# Altium PCB UZ_A_MAX11331_Daughter.PcbDoc (part 4 of 7) (continued)
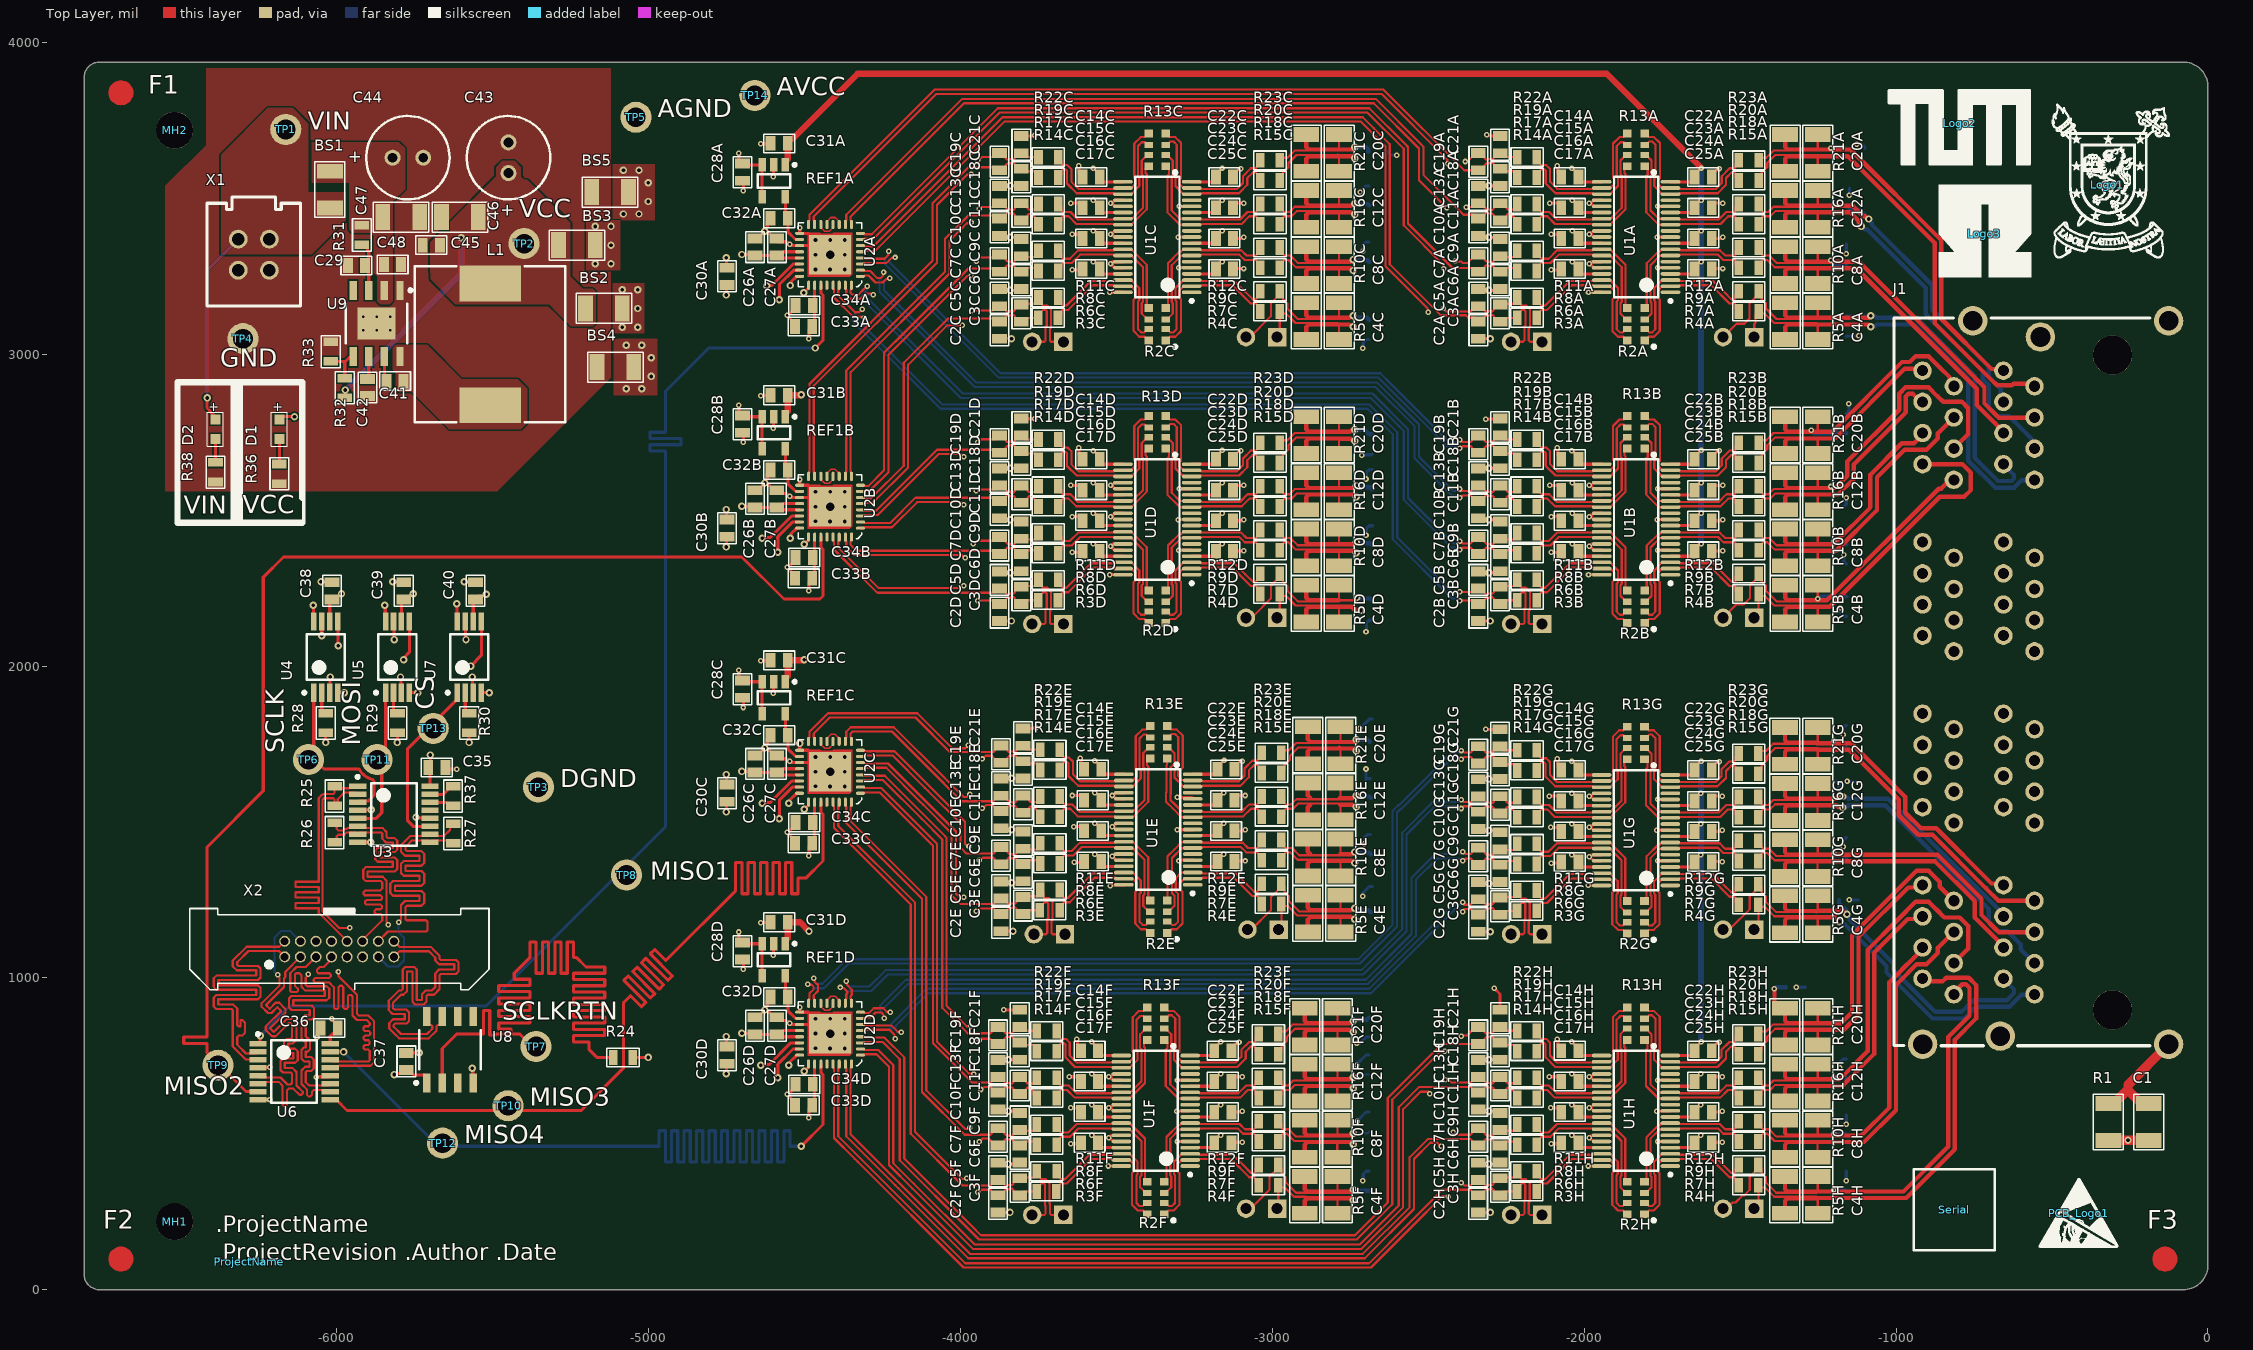
[diagram p0: Top Layer view]
## Nets (pads, with @x,y where several pads share a name; then routed paths per layer and width w, separated by ;. In a path a pad name is that pad's centre, name@x,y a point inside that pad or via, vN(x,y) a via of type N, cw(c..) or ccw(c..) an arc to the next point about the centre after c; other vN are vias at no path point) (continued)
  Top Layer w30: R1.2@-318.99,478.9 v2(-256.42,478.9) C1.2@-223.36,478.9
  Bottom Layer w10: v1(-2730,720) -2728.52,721.48 -2728.52,724.31 -2699.84,752.99 R41F.2@-2690,752.99 ; v1(-2730,790) -2728.52,791.48 -2718.37,791.48 -2699.84,810 R42F.2@-2690,810 ; v1(-2727.28,540) -2725.81,541.48 -2725.81,544.04 -2699.84,570 R40F.2@-2690,570 ; v1(-2720,1800) -2719.84,1800 -2689.84,1830 R42E.2@-2680,1830 ; v1(-2717.78,3520) -2717.78,3522.06 -2699.84,3540 R41C.2@-2690,3540 ; v1(-2713.78,2676.22) -2712.3,2677.7 -2682.3,2677.7 R42D.2@-2680,2680 ; v1(-2710.52,1261.33) -2709.05,1262.81 -2709.05,1273.79 -2689.84,1292.99 R39E.2@-2680,1292.99 ; v1(-2710,350) -2708.62,351.38 -2708.62,371.22 -2699.84,380 R39F.2@-2690,380 ; v1(-2710,3020) -2708.62,3021.38 -2708.62,3038.23 -2699.84,3047.01 R39C.2@-2690,3047.01 ; v1(-2710,3330) -2708.62,3331.38 -2708.62,3351.22 -2699.84,3360 R40C.2@-2690,3360 ; v1(-2704.99,1430) -2703.61,1431.38 -2703.61,1451.22 -2694.83,1460 R40E.2@-2684.99,1460 ; v1(-2700,1670) -2700,1634.83 -2694.83,1640 R41E.2@-2684.99,1640 ; v1(-2700,2110) -2698.62,2111.38 -2698.62,2138.23 -2689.84,2147.01 R39D.2@-2680,2147.01 ; v1(-2700,2420) -2698.62,2421.38 -2698.62,2441.22 -2689.84,2450 R40D.2@-2680,2450 ; v1(-2700,2600) -2698.62,2601.38 -2698.62,2621.22 -2689.84,2630 R41D.2@-2680,2630 ; R42C.2@-2630,3650 -2630,3647.26 -2621.22,3638.48 v1(-2601.52,3638.48) ; v1(-1320,970) R42H.2@-1290,970 ; v1(-1181.27,711.27) -1181.27,713.36 -1178.62,716.01 -1178.62,731.22 -1169.84,740 R41H.2@-1160,740 ; v1(-1177.58,2187.58) -1177.58,2168.78 -1168.8,2160 R39B.2@-1160,2160 ; v1(-1170,1420.41) -1170,1441.22 -1161.22,1450 R40G.2@-1160,1450 ; v1(-1170,1780) -1170,1801.22 -1161.22,1810 R42G.2@-1160,1810 ; R41B.2@-1170,2510 -1168.71,2510 -1159.93,2518.78 v1(-1159.93,2539.93) ; v1(-1167.79,2357.36) -1167.79,2334.8 R40B.2@-1160,2327.01 ; v1(-1160,350) R39H.2@-1160,380 ; v1(-1160,530) R40H.2@-1160,560 ; R42B.2@-1160,2810 -1151.25,2818.75 v1(-1151.25,2841.25) ; R39A.2@-1160,3057.01 -1158.48,3058.52 -1121.48,3058.52 v1(-1120,3060) ; v1(-1160,3322.64) R40A.2@-1160,3352.99 ; v1(-1157.36,1630) R41G.2@-1127.01,1630 ; v1(-1150,1250) R39G.2@-1120,1250 ; v1(-1150,3510) R41A.2@-1150,3532.99 ; v1(-1126.33,3673.67) -1108.78,3673.67 -1100,3664.89 R42A.2@-1100,3660
  other v2: -5081.42,3450 -5031.42,3450 -5001.42,3490 -5001.42,3550 -5081.42,3590 -5031.42,3590
  other v3: -4465.71,774.25 -4418.86,773.86 -4371.62,773.86 -4465.71,821.5 -4371.23,821.5 -4465.71,868.74 -4418.47,868.74 -4371.23,868.74 -4465.71,1614.25 -4418.86,1613.86 -4371.62,1613.86 -4465.71,1661.5 -4371.23,1661.5 -4465.71,1708.74 -4418.47,1708.74 -4371.23,1708.74 -4465.71,2464.25 -4418.86,2463.86 -4371.62,2463.86 -4465.71,2511.5 -4371.23,2511.5 -4465.71,2558.74 -4418.47,2558.74 -4371.23,2558.74 -4465.71,3272.05 -4418.86,3271.65 -4371.62,3271.65 -4465.71,3319.29 -4371.23,3319.29 -4465.71,3366.54 -4418.47,3366.54 -4371.23,3366.54
  other v5: -4418.47,821.5 -4418.47,1661.5 -4418.47,2511.5 -4418.47,3319.29
AIN1A_N: C20A.2 J1.D8 R21A.2 R23A.2 R42A.1 | length 1485.3
  Top Layer w7: R23A.2@-1440.95,3622.05 -1433,3630 -1416.42,3630 -1393.32,3653.1 -1255.05,3653.1 -1251.55,3656.6 -1250.95,3657.2 C20A.2@-1250.95,3705.16
  Top Layer w14: R21A.2@-1355.95,3705.16 -1355.95,3664.8 -1347.75,3656.6 -1251.55,3656.6 -1145.83,3656.6 -1143.85,3654.62 -857.4,3368.18 -855.42,3366.2 -855.42,3114 -694.14,2952.71 -661.3,2952.71 J1.D8@-655.99,2947.4
  Bottom Layer w14: v1(-1210,3661.46) -1164.45,3661.46 R42A.1@-1162.99,3660
AIN1A_P: C20A.1 J1.D7 R20A.2 R21A.1 | length 1594.9
  Top Layer w7: R20A.2@-1440.95,3557.05 -1430.67,3567.33 -1430.67,3582.9 -1412.95,3600.62 -1412.95,3613.47 -1387.32,3639.1 -1347.75,3639.1 -1255.05,3639.1 -1251.55,3635.6 -1250.95,3635 C20A.1@-1250.95,3587.05
  Top Layer w14: R21A.1@-1355.95,3587.05 -1355.95,3627.4 -1347.75,3635.6 -1251.55,3635.6 -1154.52,3635.6 -1152.54,3633.62 -878.4,3359.48 -876.42,3357.5 -876.42,3100 -681.42,2905 -679.39,2905 -675.26,2900.87 -628.61,2900.87 -623.46,2906.02 -564.61,2906.02 J1.D7@-555.99,2897.4
AIN1B_N: C20B.2 J1.E2 R21B.2 R23B.2 R42B.1 | length 1103.4
  Top Layer w7: R23B.2@-1440.95,2716.54 -1433,2724.49 -1416.42,2724.49 -1393.32,2747.59 -1255.05,2747.59 -1251.55,2751.09 -1250.95,2751.69 C20B.2@-1250.95,2799.65
  Top Layer w14: R21B.2@-1355.95,2799.65 -1355.95,2759.29 -1347.75,2751.09 -1251.55,2751.09 -1204.85,2751.09 -980.94,2975 -956.42,2975 -937.49,2993.93 -895.72,2993.93 -859.66,2957.88 -828.82,2927.03 -828.82,2923.42 -814.99,2909.59 J1.E2@-814.99,2897.4
  Bottom Layer w14: v1(-1272.64,2755.95) -1271.63,2755.95 -1262.69,2747.01 R42B.1@-1160,2747.01
AIN1B_P: C20B.1 J1.E1 R20B.2 R21B.1 | length 870.5
  Top Layer w7: R20B.2@-1440.95,2651.54 -1430.67,2661.82 -1430.67,2677.39 -1412.95,2695.11 -1412.95,2707.96 -1387.32,2733.59 -1347.75,2733.59 -1255.05,2733.59 -1251.55,2730.09 -1250.95,2729.49 C20B.1@-1250.95,2681.54
  Top Layer w14: R21B.1@-1355.95,2681.54 -1355.95,2721.89 -1347.75,2730.09 -1251.55,2730.09 -1196.15,2730.09 -972.24,2954 -921.59,2954 J1.E1@-914.99,2947.4
AIN1C_N: C20C.2 J1.C8 R21C.2 R23C.2 R42C.1 | length 3374.2
  Top Layer w7: R23C.2@-2976.38,3622.05 -2968.43,3630 -2951.86,3630 -2928.75,3653.1 -2790.48,3653.1 -2786.98,3656.6 -2786.38,3657.2 C20C.2@-2786.38,3705.16
  Top Layer w14: R21C.2@-2891.38,3705.16 -2891.38,3664.8 -2883.18,3656.6 -2786.98,3656.6 -2743.57,3656.6 v2(-2736.23,3663.94)
  Signal 1 w14: v2@-2733.45,3666.73 -2610.42,3543.7 -2610.42,3109 -2492.42,2991 -1342.42,2991 -922.42,2571 -882.42,2571 -698.32,2386.89 -686.72,2386.89 -684.83,2388.78 -664.61,2388.78 J1.C8@-655.99,2397.4
  Bottom Layer w14: v2(-2736.23,3663.94) -2699.77,3663.94 -2692.99,3657.16 R42C.1@-2692.99,3650
AIN1C_P: C20C.1 J1.C7 R20C.2 R21C.1 | length 3455
  Top Layer w7: R20C.2@-2976.38,3557.05 -2966.1,3567.33 -2966.1,3582.9 -2948.38,3600.62 -2948.38,3613.47 -2922.75,3639.1 -2790.48,3639.1 -2786.98,3635.6 -2786.38,3635 C20C.1@-2786.38,3587.05
  Top Layer w14: R21C.1@-2891.38,3587.05 -2891.38,3627.4 -2883.18,3635.6 -2792.48,3635.6 -2790.48,3637.6 ; -2786.98,3635.6 -2743.57,3635.6 v2(-2736.23,3628.26)
  Signal 1 w14: v2(-2736.23,3628.26) -2724.69,3628.26 -2631.42,3535 -2631.42,3100.3 -2501.12,2970 -1351.12,2970 -931.12,2550 -891.12,2550 -691.12,2350 -558.59,2350 J1.C7@-555.99,2347.4
AIN1D_N: C20D.2 J1.F2 R21D.2 R23D.2 R42D.1 | length 3089.8
  Top Layer w7: R23D.2@-2976.38,2716.54 -2968.43,2724.49 -2951.86,2724.49 -2928.75,2747.59 -2790.48,2747.59 -2786.98,2751.09 -2786.38,2751.69 C20D.2@-2786.38,2799.65
  Top Layer w14: R21D.2@-2891.38,2799.65 -2891.38,2759.29 -2883.18,2751.09 -2786.98,2751.09 -2751.86,2751.09 v2@-2746.07,2756.88
  Signal 1 w14: v2@-2727.31,2751.83 -2717.39,2751.83 -2581.42,2615.87 -2581.42,2280 -2386.42,2085 -1346.42,2085 -990.73,2440.7 -940.73,2440.7 -937.49,2443.93 -895.72,2443.93 -859.66,2407.88 -859.66,2392.08 J1.F2@-814.99,2347.4
  Bottom Layer w14: v2(-2736.25,2758.16) -2704.82,2758.16 -2696.62,2749.96 -2696.62,2749.77 -2689.84,2742.99 R42D.1@-2680,2742.99
AIN1D_P: C20D.1 J1.F1 R20D.2 R21D.1 | length 2936.8
  Top Layer w7: R20D.2@-2976.38,2651.54 -2966.1,2661.82 -2966.1,2677.39 -2948.38,2695.11 -2948.38,2707.96 -2922.75,2733.59 -2883.18,2733.59 -2790.48,2733.59 -2786.98,2730.09 -2786.38,2729.49 C20D.1@-2786.38,2681.54
  Top Layer w14: R21D.1@-2891.38,2681.54 -2891.38,2721.89 -2883.18,2730.09 -2786.98,2730.09 ; -2786.38,2729.49 -2749.89,2729.49 -2745.26,2724.86 -2738.09,2724.86 v2(-2736.25,2723.02)
  Signal 1 w14: v2@-2736.42,2725.8 -2731.8,2721.18 -2722.16,2721.18 -2602.42,2601.44 -2602.42,2271.3 -2395.12,2064 -1337.72,2064 -982.03,2419.7 -945.72,2419.7 -923.42,2397.4 J1.F1@-914.99,2397.4
AIN1E_N: C20E.2 J1.B8 R21E.2 R23E.2 R42E.1 | length 2702
  Top Layer w7: R23E.2@-2971.38,1722.05 -2963.42,1730 -2946.85,1730 -2923.75,1753.1 -2785.48,1753.1 -2781.98,1756.6 -2781.38,1757.2 C20E.2@-2781.38,1805.16
  Top Layer w14: R21E.2@-2886.38,1805.16 -2886.38,1764.8 -2878.17,1756.6 -2781.98,1756.6 -2738.57,1756.6 v2(-2731.23,1763.94)
  Signal 1 w14: -2714.09,1767.34 -2571.42,1910 -1131.12,1910 -1061.12,1980 -831.42,1980 -698.32,1846.89 -656.5,1846.89 J1.B8@-655.99,1847.4
  Bottom Layer w14: v2(-2731.23,1763.94) -2694.76,1763.94 R42E.1@-2687.98,1757.16
AIN1E_P: C20E.1 J1.B7 R20E.2 R21E.1 | length 2829
  Top Layer w7: R20E.2@-2971.38,1657.05 -2961.1,1667.33 -2961.1,1682.9 -2943.38,1700.62 -2943.38,1713.47 -2917.75,1739.1 -2785.48,1739.1 -2781.98,1735.6 -2781.38,1735 C20E.1@-2781.38,1687.05
  Top Layer w14: R21E.1@-2886.38,1687.05 -2886.38,1727.4 -2878.17,1735.6 -2787.48,1735.6 -2785.48,1737.6 ; -2781.98,1735.6 -2738.57,1735.6 v2(-2731.23,1728.26)
  Signal 1 w14: v2(-2731.23,1728.26) v2@-2719.68,1728.26 ; -2718.93,1732.79 -2562.72,1889 -1122.42,1889 -1052.42,1959 -840.12,1959 -682,1800.87 -636.72,1800.87 -631.57,1806.02 -564.61,1806.02 J1.B7@-555.99,1797.4
AIN1F_N: C20F.2 J1.G2 R21F.2 R23F.2 R42F.1 | length 3197
  Top Layer w7: R23F.2@-2981.42,820 -2973.47,827.95 -2956.9,827.95 -2933.79,851.05 -2795.52,851.05 -2792.02,854.55 -2791.42,855.16 C20F.2@-2791.42,903.11
  Top Layer w14: R21F.2@-2896.42,903.11 -2896.42,862.76 -2888.22,854.55 -2792.02,854.55 -2754.26,854.55
  Signal 1 w14: v2(-2741.25,861.63) -2739.41,863.47 -2727.65,863.47 -2571.44,1019.68 -1371.44,1019.68 -1266.27,1124.85 -1266.27,1636.15 -1032.42,1870 -958.19,1870 -934.26,1893.93 -895.72,1893.93 -862.71,1860.92 -862.71,1845.12 J1.G2@-814.99,1797.4
  Bottom Layer w14: v2(-2741.25,861.63) -2738.64,861.63 -2734.06,866.21 -2696.78,866.21 R42F.1@-2690,872.99
AIN1F_P: C20F.1 J1.G1 R20F.2 R21F.1 | length 3027
  Top Layer w7: R20F.2@-2981.42,755 -2971.14,765.28 -2971.14,780.86 -2953.42,798.58 -2953.42,811.43 -2927.79,837.05 -2795.52,837.05 -2792.02,833.55 -2791.42,832.95 C20F.1@-2791.42,785
  Top Layer w14: R21F.1@-2896.42,785 -2896.42,825.35 -2888.22,833.55 -2792.02,833.55 -2754.26,833.55
  Signal 1 w14: v2(-2741.25,826.48) -2738.64,826.48 -2732.31,832.82 -2728.61,832.82 -2562.74,998.68 -1362.74,998.68 -1245.27,1116.15 -1245.27,1627.45 -1022.72,1850 -917.59,1850 J1.G1@-914.99,1847.4
AIN1G_N: C20G.2 J1.A8 R21G.2 R23G.2 R42G.1 | length 1259.6
  Top Layer w7: R23G.2@-1441.42,1720 -1433.47,1727.95 -1416.9,1727.95 -1393.79,1751.05 -1255.52,1751.05 -1253.77,1752.8 ; -1252.02,1754.55 -1251.42,1755.16 C20G.2@-1251.42,1803.11
  Top Layer w14: R21G.2@-1356.42,1803.11 -1356.42,1762.76 -1348.22,1754.55 -1252.02,1754.55 ; -1253.77,1752.8 -1142.72,1752.8 -970.42,1580.5 -970.42,1530 -920.42,1480 -871.42,1480 -694.14,1302.71 -661.3,1302.71 J1.A8@-655.99,1297.4
  Bottom Layer w14: v1(-1200,1760) -1198.99,1760 -1192.78,1753.79 -1166.78,1753.79 R42G.1@-1160,1747.01
AIN1G_P: C20G.1 J1.A7 R20G.2 R21G.1 | length 1364.6
  Top Layer w7: R20G.2@-1441.42,1655 -1431.14,1665.28 -1431.14,1680.86 -1413.42,1698.58 -1413.42,1711.43 -1387.79,1737.05 -1348.22,1737.05 -1255.52,1737.05 -1252.02,1733.55 -1251.42,1732.95 ; C20G.1@-1251.42,1685 -1251.42,1732.95 ; -1250.27,1731.8 -1251.42,1732.95
  Top Layer w14: R21G.1@-1356.42,1685 -1356.42,1725.35 -1348.22,1733.55 -1252.02,1733.55 ; -1250.27,1731.8 -1151.42,1731.8 -991.42,1571.8 -991.42,1521.3 -929.12,1459 -883.39,1459 -711.42,1287.03 -671.79,1247.4 J1.A7@-555.99,1247.4
AIN1H_N: C20H.2 J1.H2 R21H.2 R23H.2 R42H.1 | length 1359.5
  Top Layer w7: R23H.2@-1441.42,820 -1433.47,827.95 -1416.9,827.95 -1393.79,851.05 -1255.52,851.05 -1252.02,854.55 -1251.42,855.16 C20H.2@-1251.42,903.11
  Top Layer w14: v1(-1390,965.86) -1390,919.73 -1373.38,903.11 R21H.2@-1356.42,903.11 -1356.42,862.76 -1348.22,854.55 -1252.02,854.55 -1176.87,854.55 -1141.42,890 -1141.42,1136.77 -934.26,1343.93 -895.72,1343.93 -859.66,1307.88 -859.66,1292.08 J1.H2@-814.99,1247.4
  Bottom Layer w14: v1(-1390,965.86) -1388.99,965.86 -1384.85,970 R42H.1@-1352.99,970
AIN1H_P: C20H.1 J1.H1 R20H.2 R21H.1 | length 1113.8
  Top Layer w7: R20H.2@-1441.42,755 -1431.14,765.28 -1431.14,780.86 -1413.42,798.58 -1413.42,811.43 -1387.79,837.05 -1348.22,837.05 -1255.52,837.05 -1252.02,833.55 -1251.42,832.95 C20H.1@-1251.42,785
  Top Layer w14: R21H.1@-1356.42,785 -1356.42,825.35 -1348.22,833.55 -1252.02,833.55 -1168.17,833.55 -1120.42,881.3 -1120.42,1130.9 -961.32,1290 -922.39,1290 J1.H1@-914.99,1297.4
AIN2A_N: C12A.2 J1.D6 R16A.2 R18A.2 R41A.1 | length 1434.5
  Top Layer w7: R18A.2@-1440.95,3482.05 -1430.67,3471.77 -1430.67,3460.65 -1426.57,3456.55 -1409.47,3456.55 -1392.92,3473.1 -1257.41,3473.1 -1253.91,3476.6 -1250.95,3479.57 C12A.2@-1250.95,3525.16
  Top Layer w14: R16A.2@-1355.95,3525.16 -1355.95,3484.8 -1347.75,3476.6 -1253.91,3476.6 -1139.4,3476.6 -1105.61,3442.81 -1099.29,3442.81 -1090.25,3433.77 v2(-1087.65,3433.77)
  Bottom Layer w14: R41A.1@-1150,3470 -1143.22,3463.22 -1117.09,3463.22 v2(-1087.65,3433.77) -1087.65,3431.17 -1078.61,3422.13 -1078.61,3415.81 -883.87,3221.07 -883.87,3142.44 -702.52,2961.09 -702.52,2928.13 -664.14,2889.75 -664.14,2855.55 J1.D6@-655.99,2847.4
AIN2A_P: C12A.1 J1.D3 R15A.2 R16A.1 | length 1545.8
  Top Layer w7: R15A.2@-1440.95,3417.05 -1430.67,3427.33 -1430.67,3438.45 -1426.57,3442.55 -1403.67,3442.55 -1387.12,3459.1 -1255.52,3459.1 -1252.02,3455.6 -1251.42,3455 -1251.42,3407.52 C12A.1@-1250.95,3407.05
  Top Layer w14: R16A.1@-1355.95,3407.05 -1355.95,3447.4 -1347.75,3455.6 -1252.02,3455.6 -1148.1,3455.6 -1120.46,3427.96 -1120.46,3421.64 -1111.42,3412.6 v2(-1111.42,3410)
  Bottom Layer w14: v2(-1111.42,3410) -1108.82,3410 -1099.78,3400.96 -1093.46,3400.96 -904.87,3212.37 -904.87,3128.44 -721.52,2945.09 -721.52,2920.26 -702.52,2901.26 -702.52,2828.13 -675.26,2800.87 -637.3,2800.87 -596.42,2760 -564.61,2728.19 -564.61,2706.02 J1.D3@-555.99,2697.4
AIN2B_N: C12B.2 J1.E6 R16B.2 R18B.2 R41B.1 | length 1302.1
  Top Layer w7: R18B.2@-1440.95,2576.54 -1430.67,2566.26 -1430.67,2555.14 -1426.57,2551.04 -1409.47,2551.04 -1392.92,2567.59 -1257.41,2567.59 -1253.91,2571.09 -1250.95,2574.05 C12B.2@-1250.95,2619.65
  Top Layer w14: R16B.2@-1355.95,2619.65 -1355.95,2579.29 -1347.75,2571.09 -1253.91,2571.09 -1195.03,2571.09 -1156.27,2609.85 -1156.27,2656.15 -990.12,2822.3 -990.12,2873.43 -969.62,2893.93 -895.72,2893.93 -866.79,2865 -866.42,2865 -848.92,2847.5 -788.92,2847.5 -768.46,2827.04 -768.46,2743.93 J1.E6@-814.99,2697.4
  Bottom Layer w14: v1(-1210,2575.95) -1209.29,2575.24 -1172.25,2575.24 R41B.1@-1170,2572.99
AIN2B_P: C12B.1 J1.E3 R15B.2 R16B.1 | length 949.4
  Top Layer w7: R15B.2@-1440.95,2511.54 -1430.67,2521.82 -1430.67,2532.93 -1426.57,2537.04 -1403.67,2537.04 -1387.12,2553.59 -1255.52,2553.59 -1252.02,2550.09 -1251.42,2549.49 -1251.42,2502.01 C12B.1@-1250.95,2501.54
  Top Layer w14: R16B.1@-1355.95,2501.54 -1355.95,2541.89 -1347.75,2550.09 -1252.02,2550.09 -1216.42,2550.09 -1186.33,2550.09 -1135.27,2601.15 -1135.27,2647.45 -969.12,2813.6 -969.12,2864.73 -960.92,2872.93 -945.72,2872.93 -920.19,2847.4 J1.E3@-914.99,2847.4
AIN2C_N: C12C.2 J1.C6 R16C.2 R18C.2 R41C.1 | length 3268
  Top Layer w7: R18C.2@-2976.38,3482.05 -2966.1,3471.77 -2966.1,3460.65 -2962,3456.55 -2944.91,3456.55 -2928.35,3473.1 -2792.85,3473.1 -2789.35,3476.6 -2786.38,3479.57 C12C.2@-2786.38,3525.16
  Top Layer w14: R16C.2@-2891.38,3525.16 -2891.38,3484.8 -2883.18,3476.6 -2789.35,3476.6 -2749.26,3476.6
  Signal 2 w14: v2(-2736.25,3483.67) -2734.41,3481.83 -2723.15,3481.83 -2717.92,3476.6 -2694.74,3476.6 -2640.42,3422.29 -2640.42,3129 -2477.42,2966 -1317.42,2966 -931.27,2579.85 -891.57,2579.85 -702.52,2390.79 -702.52,2343.93 J1.C6@-655.99,2297.4
  Bottom Layer w14: v2(-2736.25,3483.67) -2734.41,3481.83 -2694.82,3481.83 R41C.1@-2690,3477.01
AIN2C_P: C12C.1 J1.C3 R15C.2 R16C.1 | length 3403.9
  Top Layer w7: R15C.2@-2976.38,3417.05 -2966.1,3427.33 -2966.1,3438.45 -2962,3442.55 -2939.11,3442.55 -2922.55,3459.1 -2790.96,3459.1 -2787.46,3455.6 -2786.86,3455 -2786.86,3407.52 C12C.1@-2786.38,3407.05
  Top Layer w14: R16C.1@-2891.38,3407.05 -2891.38,3447.4 -2883.18,3455.6 -2787.46,3455.6 -2749.26,3455.6
  Signal 2 w14: v2(-2736.25,3448.53) -2734.41,3450.37 -2723.15,3450.37 -2717.92,3455.6 -2703.44,3455.6 -2661.42,3413.59 -2661.42,3120.3 -2486.12,2945 -1326.12,2945 -939.97,2558.85 -900.27,2558.85 -721.52,2380.09 -721.52,2336.06 -721.42,2335.96 -721.42,2297.03 -668.32,2243.93 -636.72,2243.93 -600.66,2207.88 -569.82,2177.03 -569.82,2173.42 -555.99,2159.59 J1.C3@-555.99,2147.4
AIN2D_N: C12D.2 J1.F6 R16D.2 R18D.2 R41D.1 | length 3134.8
  Top Layer w7: R18D.2@-2976.38,2576.54 -2966.1,2566.26 -2966.1,2555.14 -2962,2551.04 -2944.91,2551.04 -2928.35,2567.59 -2792.85,2567.59 -2789.35,2571.09 -2786.38,2574.05 C12D.2@-2786.38,2619.65
  Top Layer w14: R16D.2@-2891.38,2619.65 -2891.38,2579.29 -2883.18,2571.09 -2789.35,2571.09 -2740.92,2571.09 -2733.85,2578.16 v2(-2731.25,2578.16)
  Signal 1 w14: v2(-2731.25,2578.16) -2728.64,2578.16 -2722.31,2571.83 -2718.11,2571.83 -2631.42,2485.14 -2631.42,2260 -2416.42,2045 -1233.19,2045 -934.26,2343.93 -895.72,2343.93 -851.28,2299.5 -801.28,2299.5 -768.46,2266.67 -768.46,2193.93 J1.F6@-814.99,2147.4
  Bottom Layer w14: v2(-2731.25,2578.16) -2728.64,2578.16 -2724.27,2573.79 -2686.78,2573.79 R41D.1@-2680,2567.01
AIN2D_P: C12D.1 J1.F3 R15D.2 R16D.1 | length 2746.5
  Top Layer w7: R15D.2@-2976.38,2511.54 -2966.1,2521.82 -2966.1,2532.93 -2962,2537.04 -2939.11,2537.04 -2922.55,2553.59 -2790.96,2553.59 -2787.46,2550.09 -2786.86,2549.49 -2786.86,2502.01 C12D.1@-2786.38,2501.54
  Top Layer w14: R16D.1@-2891.38,2501.54 -2891.38,2541.89 -2883.18,2550.09 -2787.46,2550.09 -2740.92,2550.09 -2733.85,2543.02 v2(-2731.25,2543.02)
  Signal 1 w14: v2(-2731.25,2543.02) -2729.41,2541.18 -2717.16,2541.18 -2652.42,2476.44 -2652.42,2251.3 -2425.12,2024 -1224.49,2024 -955.94,2292.55 -919.84,2292.55 J1.F3@-914.99,2297.4
AIN2E_N: C12E.2 J1.B6 R16E.2 R18E.2 R41E.1 | length 2789.5
  Top Layer w7: R18E.2@-2971.38,1582.05 -2961.1,1571.77 -2961.1,1560.65 -2957,1556.55 -2939.9,1556.55 -2923.34,1573.1 -2787.84,1573.1 -2784.34,1576.6 -2781.38,1579.57 C12E.2@-2781.38,1625.16
  Top Layer w14: R16E.2@-2886.38,1625.16 -2886.38,1584.8 -2878.17,1576.6 ; -2784.34,1576.6 -2744.25,1576.6
  Signal 2 w14: v2(-2731.24,1583.67) -2728.64,1583.67 -2721.56,1576.6 -2702.43,1576.6 -2548.7,1730.33 -2358.03,1921 -792.42,1921 -720.77,1849.35 -720.77,1740.73 -694.97,1714.93 -683.38,1714.93 -655.99,1742.32 J1.B6@-655.99,1747.4
  Bottom Layer w14: v2(-2731.24,1583.67) -2729.4,1581.83 -2689.82,1581.83 R41E.1@-2684.99,1577.01
AIN2E_P: C12E.1 J1.B3 R15E.2 R16E.1 | length 2872.5
  Top Layer w7: R15E.2@-2971.38,1517.05 -2961.1,1527.33 -2961.1,1538.45 -2957,1542.55 -2934.1,1542.55 -2917.54,1559.1 -2785.95,1559.1 -2782.45,1555.6 -2781.85,1555 -2781.85,1507.52 C12E.1@-2781.38,1507.05
  Top Layer w14: R16E.1@-2886.38,1507.05 -2886.38,1547.4 -2878.17,1555.6 ; -2782.45,1555.6 -2744.25,1555.6
  Signal 2 w14: v2(-2731.24,1548.53) -2728.64,1548.53 -2721.56,1555.6 -2693.73,1555.6 -2527.7,1721.63 -2349.33,1900 -801.12,1900 -741.77,1840.65 -741.77,1732.03 -703.67,1693.93 -636.72,1693.93 -600.66,1657.88 -600.66,1642.08 J1.B3@-555.99,1597.4
AIN2F_N: C12F.2 J1.G6 R16F.2 R18F.2 R41F.1 | length 3300.1
  Top Layer w7: R18F.2@-2981.42,680 -2971.14,669.72 -2971.14,658.6 -2967.04,654.5 -2949.95,654.5 -2933.39,671.05 -2891.72,671.05 -2888.22,674.55 ; -2794.39,674.55 -2791.42,677.52 C12F.2@-2791.42,723.11
  Top Layer w14: R16F.2@-2896.42,723.11 -2896.42,682.76 -2888.22,674.55 -2794.39,674.55 -2754.26,674.55
  Signal 1 w14: v2(-2741.25,681.63) -2739.41,683.47 -2727.65,683.47 -2471.12,940 -1301.42,940 -1122.42,1119 -1122.42,1577.7 -961.59,1738.53 -961.59,1769.83 -937.49,1793.93 -895.35,1793.93 -851.42,1750 -801.79,1750 -768.46,1716.67 -768.46,1643.93 J1.G6@-814.99,1597.4
  Bottom Layer w7: v2(-2741.25,681.63) -2736.75,681.63 -2728.38,690 R41F.1@-2690,690
AIN2F_P: C12F.1 J1.G3 R15F.2 R16F.1 | length 2904.5
  Top Layer w7: R15F.2@-2981.42,615 -2971.14,625.28 -2971.14,636.4 -2967.04,640.5 -2944.15,640.5 -2927.59,657.05 -2891.72,657.05 -2888.22,653.55 ; -2792.5,653.55 -2791.9,652.95 -2791.9,605.47 C12F.1@-2791.42,605
  Top Layer w14: R16F.1@-2896.42,605 -2896.42,645.35 -2888.22,653.55 -2792.5,653.55 -2754.26,653.55
  Signal 1 w14: v2(-2741.25,646.48) -2738.64,646.48 -2732.31,652.82 -2728.61,652.82 -2462.42,919 -1292.72,919 -1101.42,1110.3 -1101.42,1569 -923.02,1747.4 J1.G3@-914.99,1747.4
AIN2G_N: C12G.2 J1.A6 R16G.2 R18G.2 R41G.1 | length 1213.1
  Top Layer w7: R18G.2@-1441.42,1580 -1431.14,1569.72 -1431.14,1558.6 -1427.04,1554.5 -1409.95,1554.5 -1393.39,1571.05 -1257.89,1571.05 -1254.39,1574.55 -1251.42,1577.52 C12G.2@-1251.42,1623.11
  Top Layer w14: R16G.2@-1356.42,1623.11 -1356.42,1582.76 -1348.22,1574.55 -1254.39,1574.55 -1191.42,1574.55 -1186.19,1579.79
  Bottom Layer w14: R41G.1@-1190,1630 -1183.22,1623.22 -1183.22,1596.2 -1171.25,1584.23 v2(-1171.25,1581.63) -1169.41,1579.79 -1158.15,1579.79 -1152.92,1574.55 -1026.13,1574.55 -741.57,1290 -741.42,1290 -655.99,1204.57 J1.A6@-655.99,1197.4
AIN2G_P: C12G.1 J1.A3 R15G.2 R16G.1 | length 1337.5
  Top Layer w7: R15G.2@-1441.42,1515 -1431.14,1525.28 -1431.14,1536.4 -1427.04,1540.5 -1404.15,1540.5 -1387.59,1557.05 -1256,1557.05 -1252.5,1553.55 ; -1251.9,1552.95 -1251.9,1505.47 C12G.1@-1251.42,1505
  Top Layer w14: R16G.1@-1356.42,1505 -1356.42,1545.35 -1348.22,1553.55 -1256,1553.55 ; -1252.5,1553.55 -1191.42,1553.55 -1186.19,1548.32
  Bottom Layer w14: v2(-1171.25,1546.48) -1169.41,1548.32 -1158.15,1548.32 -1152.92,1553.55 -1034.83,1553.55 -751.42,1270.15 -751.42,1270 -702.52,1221.09 -702.52,1178.13 -675.26,1150.87 -672.3,1150.87 -671.42,1150 -642.79,1150 -600.66,1107.88 -600.66,1092.08 J1.A3@-555.99,1047.4
AIN2H_N: C12H.2 J1.H6 R16H.2 R18H.2 R41H.1 | length 1532.2
  Top Layer w7: R18H.2@-1441.42,680 -1431.14,669.72 -1431.14,658.6 -1427.04,654.5 -1409.95,654.5 -1393.39,671.05 -1257.89,671.05 -1254.39,674.55 -1251.42,677.52 C12H.2@-1251.42,723.11
  Top Layer w14: R16H.2@-1356.42,723.11 -1356.42,682.76 -1348.22,674.55 -1254.39,674.55 -1181.42,674.55 -1091.42,764.55 -1091.42,1089.7 -996.27,1184.85 -996.27,1185.15 -937.49,1243.93 -895.72,1243.93 -871.79,1220 -871.42,1220 -845.35,1193.93 -795.72,1193.93 -768.46,1166.67 -768.46,1093.93 J1.H6@-814.99,1047.4
  Bottom Layer w14: v1(-1200,680) -1199.29,679.29 -1162.28,679.29 R41H.1@-1160,677.01
AIN2H_P: C12H.1 J1.H3 R15H.2 R16H.1 | length 1168.1
  Top Layer w7: R15H.2@-1441.42,615 -1431.14,625.28 -1431.14,636.4 -1427.04,640.5 -1404.15,640.5 -1387.59,657.05 -1256,657.05 -1252.5,653.55 -1251.9,652.95 -1251.9,605.47 C12H.1@-1251.42,605
  Top Layer w14: R16H.1@-1356.42,605 -1356.42,645.35 -1348.22,653.55 -1252.5,653.55 -1172.72,653.55 -1070.42,755.86 -1070.42,1081 -962.64,1188.78 -923.61,1188.78 J1.H3@-914.99,1197.4 J1.H3@-918.82,1197.4
AIN3A_N: C8A.2 J1.D5 R10A.2 R12A.2 R40A.1 | length 1403.6
  Top Layer w7: R12A.2@-1440.95,3342.05 -1430.67,3331.77 -1430.67,3320.65 -1426.57,3316.55 -1407.15,3316.55 -1383.71,3293.1 -1255.05,3293.1 -1251.55,3296.6 -1250.95,3297.2 C8A.2@-1250.95,3345.16
  Top Layer w14: R10A.2@-1355.95,3345.16 -1355.95,3304.8 -1347.75,3296.6 -1251.55,3296.6 -1118.69,3296.6 -716.42,2894.33 -716.42,2842.03 -675.26,2800.87 -674.68,2800.87 -670.68,2796.87 -556.52,2796.87 J1.D5@-555.99,2797.4
  Bottom Layer w14: v1(-1210,3301.46) -1209.29,3300.75 -1209.29,3299.29 -1200,3290 R40A.1@-1160,3290